# Altium PCB PCB.PcbDoc (part 1 of 2) (continued)
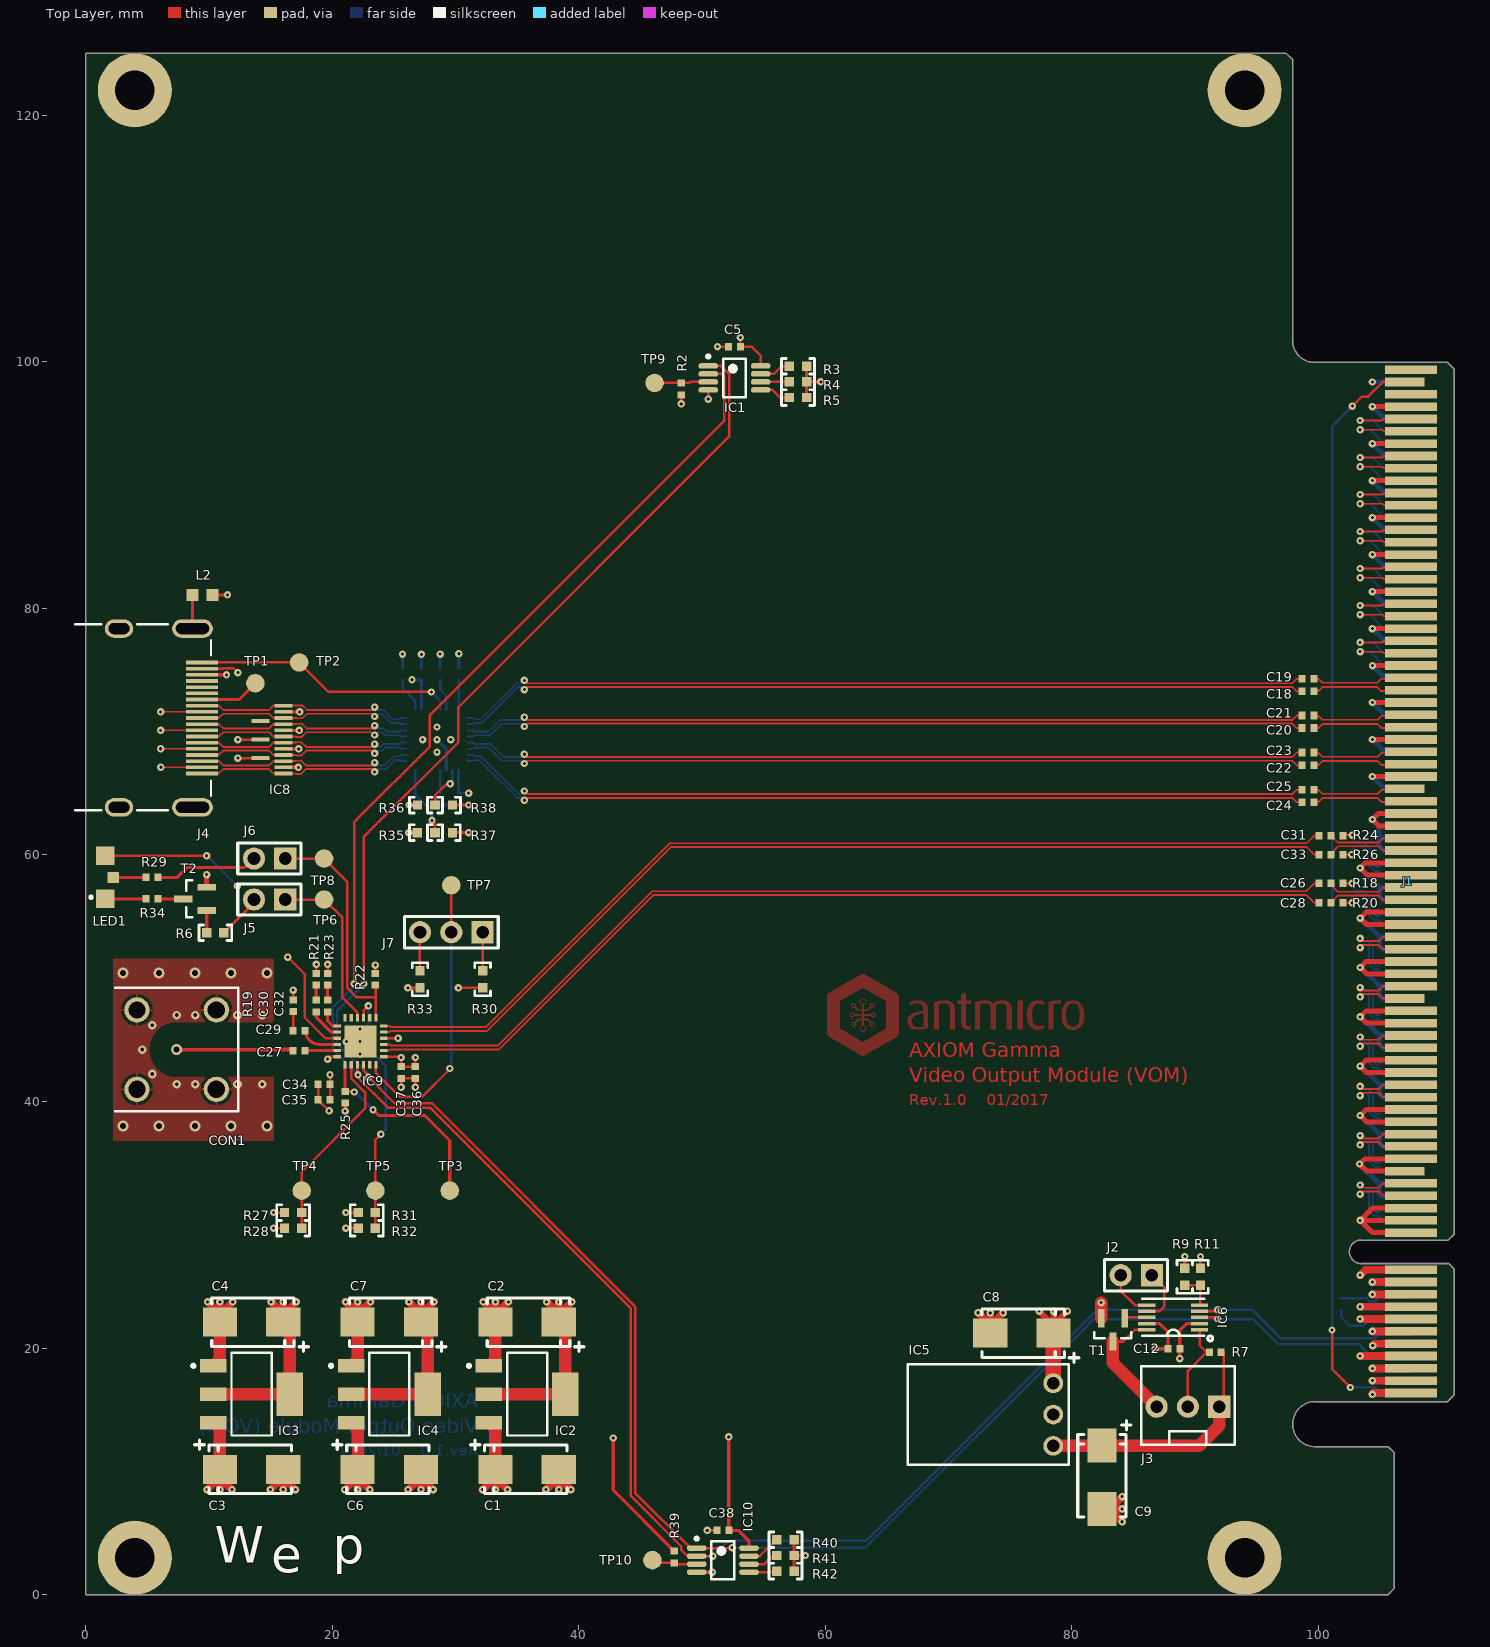
[diagram p0: Top Layer view]
## Components (designator, comment, footprint, x,y, rotation, side; value= is the part's Value field where it differs from the comment)
C1 "10u" KEMET_C 35.814,10.16 r0 top
C2 "22u" KEMET_C 35.814,22.098 r180 top
C3 "10u" KEMET_C 13.462,10.16 r0 top
C4 "22u" KEMET_C 13.462,22.098 r180 top
C5 "100n" 0402 52.629,101.219 r180 top
C6 "10u" KEMET_C 24.638,10.16 r0 top
C7 "22u" KEMET_C 24.638,22.098 r180 top
C8 "22u" KEMET_C 75.946,21.209 r180 top
C9 "22u" KEMET_C 82.423,9.525 r270 top
C12 "100n" 0402 88.265,19.939 r0 top
C16 "100n" 0402 27.233,74.681 r270 bottom
C17 "100n" 0402 30.256,64.521 r90 bottom
C18 "100n" 0402 99.136,73.254 r180 top
C19 "100n" 0402 99.136,74.27 r180 top
C20 "100n" 0402 99.136,70.282 r180 top
C21 "100n" 0402 99.136,71.298 r180 top
C22 "100n" 0402 99.136,67.259 r180 top
C23 "100n" 0402 99.136,68.301 r180 top
C24 "100n" 0402 99.136,64.262 r180 top
C25 "100n" 0402 99.136,65.278 r180 top
C26 "4u7" 0402 100.533,57.683 r180 top
C27 "4u7" 0402 17.317,44.113 r180 top
C28 "4u7" 0402 100.533,56.109 r180 top
C29 "4u7" 0402 17.317,45.723 r180 top
C30 "4u7" 0402 18.714,47.75 r90 top
C31 "4u7" 0402 100.533,61.553 r180 top
C32 "4u7" 0402 19.631,47.75 r90 top
C33 "4u7" 0402 100.533,60.02 r180 top
C34 "10n" 0402 19.349,41.381 r180 top
C35 "100n" 0402 19.349,40.13 r180 top
C36 "10n" 0402 26.743,42.347 r90 top
C37 "100n" 0402 25.6,42.347 r90 top
C38 "100n" 0402 51.689,5.207 r180 top
CON1 "73171-6611" MOLEX_BNC_73171-6611 7.388,44.204 r180 top
IC1 "TMP75AIDGKT" MSOP-8 52.629,98.679 r0 top
IC2 "AP1117E33G-13" SOT223 35.814,16.256 r270 top
IC3 "AP1117E50G-13" SOT223 13.462,16.256 r270 top
IC4 "NCP1117ST25T3G" SOT223 24.638,16.256 r270 top
IC5 "U3V12F12" U3V12Fxx 78.486,14.605 r90 top
IC6 "MAX6650EUB+" uMAX10 88.214,22.479 r180 top
IC7 "PTN3363BSMP" QFN-32 28.503,69.347 r90 bottom
IC8 "TPD8S009" SON-15 15.117,69.347 r270 top
IC9 "LMH1218RTWT" WQFN-24 22.298,44.872 r180 top
IC10 "TMP75AIDGKT" MSOP-8 51.689,2.794 r0 top
J1 "" PCIEX16 107.5,16.35 r90 top locked
J2 "MH_1X02_2.54" MH_1X02_2.54 86.487,25.908 r180 top
J3 "Molex 022232031" molex_2223-2031 89.408,15.24 r180 top
J4 "CON-Molex-471511001" Molex_HDMI_471511001 6.075,71.1 r270 top
J5 "MH_1X02_2.54" MH_1X02_2.54 16.2,56.375 r180 top
J6 "MH_1X02_2.54" MH_1X02_2.54 16.2,59.7 r180 top
J7 "MH_1X03_2.54" MH_1X03_2.54 32.204,53.721 r180 top
L2 "BLM18SG121TN1D" 0603#1 9.479,81.082 r180 top
LED1 "LED-LiteON-LTST-S326KGJRKT" LED-LiteON-LTST-S326KGJRKT 1.6,58.175 r90 top
R1 "0R" 0402 101.854,23.549 r270 bottom
R2 "10k" 0402 48.311,97.79 r270 top
R3 "0R" 0603#2 57.785,99.627 r0 top
R4 "0R" 0603#2 57.785,98.357 r0 top
R5 "0R" 0603#2 57.785,97.087 r0 top
R6 "1k" 0603#2 10.525,53.675 r180 top
R7 "10k" 0402 91.618,19.66 r0 top
R9 "0R" 0603#2 89.154,25.781 r270 top
R11 "10k" 0603#2 90.424,25.781 r270 top
R14 "10k" 0402 30.281,74.681 r90 bottom
R15 "10k" 0402 28.757,74.681 r90 bottom
R16 "10k" 0402 25.709,74.681 r90 bottom
R17 "12k4" 0402 28.757,64.521 r90 bottom
R18 "0R" 0402 101.498,57.683 r0 top
R19 "75R" 0402 16.837,47.757 r270 top
R20 "0R" 0402 101.498,56.109 r0 top
R21 "100R" 0402 18.714,49.911 r270 top
R22 "10k" 0402 23.504,49.911 r270 top
R23 "100R" 0402 19.631,49.911 r270 top
R24 "0R" 0402 101.498,61.553 r0 top
R25 "1k" 0402 21.048,40.339 r90 top
R26 "0R" 0402 101.498,60.02 r0 top
R27 "1k" 0603#2 16.837,30.988 r180 top
R28 "1k" 0603#2 16.837,29.718 r180 top
R29 "220R" 0402 5.4,58.175 r0 top
R30 "1k" 0603#2 32.204,49.911 r90 top
R31 "1k" 0603#2 22.806,30.988 r180 top
R32 "1k" 0603#2 22.806,29.718 r180 top
R33 "1k" 0603#2 27.124,49.911 r270 top
R34 "220R" 0402 5.4,56.425 r180 top
R35 "0R" 0603#2 27.613,61.804 r0 top
R36 "0R" 0603#2 27.618,64.039 r0 top
R37 "0R" 0603#2 29.058,61.804 r0 top
R38 "0R" 0603#2 29.063,64.039 r0 top
R39 "10k" 0402 47.752,3.048 r90 top
R40 "0R" 0603#2 56.769,4.445 r0 top
R41 "0R" 0603#2 56.769,3.175 r0 top
R42 "0R" 0603#2 56.769,1.905 r0 top
T1 "BSS806NH6327" SOT-23 83.325,21.479 r270 top
T2 "BSS806NH6327" SOT-23 8.875,56.425 r180 top
TP1 "Testpad" Testpad#1 13.771,73.919 r180 bottom
TP2 "Testpad" Testpad#1 17.327,75.6 r90 bottom
TP3 "Testpad" Testpad#2 29.537,32.766 r90 top
TP4 "Testpad" Testpad#2 17.535,32.766 r180 top
TP5 "Testpad" Testpad#2 23.504,32.766 r90 top
TP6 "Testpad" Testpad#2 19.35,56.375 r90 top
TP7 "Testpad" Testpad#2 29.664,57.531 r90 top
TP8 "Testpad" Testpad#2 19.35,59.7 r90 top
TP9 "Testpad" Testpad#2 46.152,98.27 r90 top
TP10 "Testpad" Testpad#2 45.974,2.794 r0 top

## Footprints (in the part's own frame and the unit in brackets; to place one, negate y for a bottom-side part, rotate by r counter-clockwise, add the part's x,y. Pads: shape width x height; smd on the part's side, far side on the other; paste and mask are expansions set on the pad)
0402 [mm]
  rect 0.57x0.62 smd: 1(-0.48,0) 2(0.48,0)
  body extent -0.55,-0.3 0.55,0.3, height 0.5
0603#1 [mm] "Chip Inductor Ferrite Bead 0603"
  rect 0.97x0.96 smd: 1(-0.815,0) 2(0.815,0)
  body extent -0.87,-0.48 0.87,0.47, height 0.6
0603#2 [mm]
  rect 0.762x0.762 smd: 1(-0.699,0) 2(0.699,0)
  silkscreen extent -1.33,-0.64 1.33,0.64, body extent -0.82,-0.41 0.83,0.41, height 0.46
KEMET_C [mm] "Kemet C size package. Low desity level"
  rect 2.77x2.35 smd: 1(-2.57,0) 2(2.57,0)
  silkscreen extent -4.6,-1.95 3.23,2.38, body extent -3.25,-1.73 3.05,1.77, height 2.81
LED-LiteON-LTST-S326KGJRKT [mm] "LED LiteON LTST-S326KGJRKT Red Green"
  rect 1.5x1.5 smd: A(1.75,0) C1(-1.75,0)
  rect 0.9x0.9 smd: C2(0,-0.65)
  silkscreen extent -1.72,1.04 -1.49,1.28, body extent -1.5,-0.5 1.5,1.5, height 1
MH_1X02_2.54 [mm]
  rect 1.8x1.8 hole 1.02: 1(0,0)
  round 1.8 hole 1.02: 2(2.54,0)
  silkscreen extent -1.27,-1.27 3.86,1.27, body extent -1.17,-1.25 3.91,1.25, height 8.33
MH_1X03_2.54 [mm]
  rect 1.8x1.8 hole 1.02: 1(0,0)
  round 1.8 hole 1.02: 2(2.54,0) 3(5.08,0)
  silkscreen extent -1.27,-1.27 6.35,1.27, body extent -1.17,-1.25 6.45,1.25, height 8.33
molex_2223-2031 [mm]
  rect 1.8x1.8 hole 1.02: 1(-2.54,0)
  round 1.8 hole 1.02: 2(0,0) 3(2.54,0)
  silkscreen extent -3.8,-3.3 3.8,3.1, body extent -3.73,-3.25 3.73,3.1, height 10.68
MOLEX_BNC_73171-6611 [mm]
  round 0.9 hole 0.5: 1(0,0)
  round 2.05 hole 1.4: S(-3.22,3.22) S(-3.22,-3.22) S(3.22,3.22) S(3.22,-3.22)
  Top Layer pour cut-out: -7.848,-2.22 0,-2.22 0.963,-2 1.736,-1.384 2.164,-0.494 2.164,0.494 1.736,1.384 0.963,2 0,2.22 0,2.22 -7.848,2.22
  Bottom Layer pour cut-out: -0.953,-2.005 0.133,-2.216 1.186,-1.877 1.944,-1.071 2.22,0 1.944,1.071 1.186,1.877 0.133,2.216 -0.953,2.005 -0.953,2.005 -0.95,2
  silkscreen extent -5,-5 5,5, body extent -4.96,-7.01 22.73,6.99, height 12.42
Molex_HDMI_471511001 [mm] "HEADER, RIGHT ANGLE, HDMI"
  rect 0.3x2.6 smd: 1(4.5,3.36) 2(4,3.36) 3(3.5,3.36) 4(3,3.36) 5(2.5,3.36) 6(2,3.36) 7(1.5,3.36) 8(1,3.36) 9(0.5,3.36) 10(0,3.36) 11(-0.5,3.36) 12(-1,3.36) 13(-1.5,3.36) 14(-2,3.36) 15(-2.5,3.36) 16(-3,3.36) 17(-3.5,3.36) 18(-4,3.36) 19(-4.5,3.36)
  oval 1.5x2.3 hole 0.9 slot 1.7 at 90 deg: S(-7.25,-3.36) S(7.25,-3.36)
  oval 1.5x3.3 hole 0.9 slot 2.7 at 90 deg: S(-7.25,2.6) S(7.25,2.6)
  silkscreen extent -7.6,-6.9 7.5,4.1, body extent -7.55,-8.08 7.45,4.07, height 6.28
MSOP-8 [mm]
  oval 1.6x0.45 smd: 1(-2.125,0.975) 2(-2.125,0.325) 3(-2.125,-0.325) 4(-2.125,-0.975) 5(2.125,-0.975) 6(2.125,-0.325) 7(2.125,0.325) 8(2.125,0.975)
  silkscreen extent -2.25,-1.55 0.92,1.87, body extent -2.45,-1.52 2.45,1.48, height 1.15
PCIEX16 [mm] "Golden finger, PCIeX16, Dual, Opposite, Pitch 1mm, 164-Position"
  rect 0.7x3.2 smd far side paste-1: A1(0,0.5)
  rect 0.7x4.2 smd far side paste-1: A2(1,0) A3(2,0) A4(3,0) A5(4,0) A6(5,0) A7(6,0) A8(7,0) A9(8,0) A10(9,0) A11(10,0) A12(13,0) A13(14,0) A14(15,0) A15(16,0) A16(17,0) A17(18,0) A18(19,0) A19(20,0) A20(21,0) A21(22,0) A22(23,0) A23(24,0) A24(25,0) A25(26,0) A26(27,0) A27(28,0) A28(29,0) A29(30,0) A30(31,0) A31(32,0) A32(33,0) A33(34,0) A34(35,0) A35(36,0) A36(37,0) A37(38,0) A38(39,0) A39(40,0) A40(41,0) A41(42,0) A42(43,0) A43(44,0) A44(45,0) A45(46,0) A46(47,0) A47(48,0) A48(49,0) A49(50,0) A50(51,0) A51(52,0) A52(53,0) A53(54,0) A54(55,0) A55(56,0) A56(57,0) A57(58,0) A58(59,0) A59(60,0) A60(61,0) A61(62,0) A62(63,0) A63(64,0) A64(65,0) A65(66,0) A66(67,0) A67(68,0) A68(69,0) A69(70,0) A70(71,0) A71(72,0) A72(73,0) A73(74,0) A74(75,0) A75(76,0) A76(77,0) A77(78,0) A78(79,0) A79(80,0) A80(81,0) A81(82,0) A82(83,0)
  rect 0.7x4.2 smd paste-1: B1(0,0) B2(1,0) B3(2,0) B4(3,0) B5(4,0) B6(5,0) B7(6,0) B8(7,0) B9(8,0) B10(9,0) B11(10,0) B12(13,0) B13(14,0) B14(15,0) B15(16,0) B16(17,0) B18(19,0) B19(20,0) B20(21,0) B21(22,0) B22(23,0) B23(24,0) B24(25,0) B25(26,0) B26(27,0) B27(28,0) B28(29,0) B29(30,0) B30(31,0) B32(33,0) B33(34,0) B34(35,0) B35(36,0) B36(37,0) B37(38,0) B38(39,0) B39(40,0) B40(41,0) B41(42,0) B42(43,0) B43(44,0) B44(45,0) B45(46,0) B46(47,0) B47(48,0) B49(50,0) B50(51,0) B51(52,0) B52(53,0) B53(54,0) B54(55,0) B55(56,0) B56(57,0) B57(58,0) B58(59,0) B59(60,0) B60(61,0) B61(62,0) B62(63,0) B63(64,0) B64(65,0) B65(66,0) B66(67,0) B67(68,0) B68(69,0) B69(70,0) B70(71,0) B71(72,0) B72(73,0) B73(74,0) B74(75,0) B75(76,0) B76(77,0) B77(78,0) B78(79,0) B79(80,0) B80(81,0) B82(83,0)
  rect 0.7x3.2 smd paste-1: B17(18,0.5) B31(32,0.5) B48(49,0.5) B81(82,0.5)
QFN-32 [mm] "QFN, 32-Leads, Body 5,00x5,00mm, Pitch 0,50mm, Thermal Pad 3,20x3,20mm, IPC Medium Density"
  rect 0.75x0.3 smd: 1(-2.475,1.75) 2(-2.475,1.25) 3(-2.475,0.75) 4(-2.475,0.25) 5(-2.475,-0.25) 6(-2.475,-0.75) 7(-2.475,-1.25) 8(-2.475,-1.75) 17(2.475,-1.75) 18(2.475,-1.25) 19(2.475,-0.75) 20(2.475,-0.25) 21(2.475,0.25) 22(2.475,0.75) 23(2.475,1.25) 24(2.475,1.75)
  rect 0.3x0.75 smd: 9(-1.75,-2.475) 10(-1.25,-2.475) 11(-0.75,-2.475) 12(-0.25,-2.475) 13(0.25,-2.475) 14(0.75,-2.475) 15(1.25,-2.475) 16(1.75,-2.475) 25(1.75,2.475) 26(1.25,2.475) 27(0.75,2.475) 28(0.25,2.475) 29(-0.25,2.475) 30(-0.75,2.475) 31(-1.25,2.475) 32(-1.75,2.475)
  rect 3.2x3.2 smd: 33(0,0)
  silkscreen extent -3.42,-2.65 2.65,2.65, body extent -2.5,-2.5 2.5,2.5, height 1
SON-15 [mm]
  rect 0.3x1.45 smd: 1(2.75,0.925) 2(2.25,0.925) 3(1.75,0.925) 4(1.25,0.925) 5(0.75,0.925) 6(0.25,0.925) 7(-0.25,0.925) 8(-0.75,0.925) 9(-1.25,0.925) 10(-1.75,0.925) 11(-2.25,0.925) 12(-2.75,0.925) 13(1.5,-0.925) 14(0,-0.925) 15(-1.5,-0.925)
  body extent -3.3,-1.3 3.3,1.3, height 0.8
SOT223 [mm] "SOT-223/SC-73; 4 Leads; Body 6.7 x 7.3 mm, inc. leads (LxW max)"
  rect 1.1x2.15 smd: 1(-2.3,-3.1) 2(0,-3.1) 3(2.3,-3.1)
  rect 3.5x2.15 smd: 4(0,3.1)
  silkscreen extent -3.35,-4.85 3.35,1.63, body extent -3.25,-3.48 3.25,3.48, height 1.61
SOT-23 [mm] "SOT23, 3-Leads, Body 2.90x2.45mm, Pitch 0.95mm, IPC Medium Density"
  rect 1.5x0.55 smd: 1(-0.95,0.95) 2(-0.95,-0.95) 3(0.95,0)
  silkscreen extent 0.2,-1.5 0.7,1.5, body extent -1.13,-1.5 1.13,1.5, height 1.21
Testpad#1 [mm] "Simple test pad 2mm in diameter"
  round 1.5 smd far side: 1(0,0)
Testpad#2 [mm] "Simple test pad 2mm in diameter"
  round 1.5 smd: 1(0,0)
U3V12Fxx [mm]
  round 1.6 hole 1: 1(2.54,0) 2(0,0) 3(-2.54,0)
  silkscreen extent -4.06,-1.27 4.06,11.81, body extent -4.06,-1.27 4.06,11.81, height 2.54
uMAX10 [mm]
  rect 1.4x0.28 smd: 1(-2.14,1) 2(-2.14,0.5) 3(-2.14,0) 4(-2.14,-0.5) 5(-2.14,-1) 6(2.14,-1) 7(2.14,-0.5) 8(2.14,0) 9(2.14,0.5) 10(2.14,1)
  silkscreen extent -3.2,-1.5 2.5,1.9, body extent -2.5,-1.5 2.5,1.5, height 0.95
WQFN-24 [mm]
  rect 2.6x2.6 smd paste-2.6: 0(0,0)
  rect 0.25x0.6 smd: 1(1.25,1.9) 2(0.75,1.9) 3(0.25,1.9) 4(-0.25,1.9) 5(-0.75,1.9) 6(-1.25,1.9) 13(-1.25,-1.9) 14(-0.75,-1.9) 15(-0.25,-1.9) 16(0.25,-1.9) 17(0.75,-1.9) 18(1.25,-1.9)
  rect 0.6x0.25 smd: 7(-1.9,1.25) 8(-1.9,0.75) 9(-1.9,0.25) 10(-1.9,-0.25) 11(-1.9,-0.75) 12(-1.9,-1.25) 19(1.9,-1.25) 20(1.9,-0.75) 21(1.9,-0.25) 22(1.9,0.25) 23(1.9,0.75) 24(1.9,1.25)
  body extent -2.01,-2.01 2.01,2.01, height 0.8

## Part data
C1 C3 C6: library part CPol_10u, "Tantalum SMT Capacitor 10uF Case KEMET_C"
C2 C4 C7 C8 C9: library part CPol_22u, "Tantalum SMT Capacitor 22uF Case KEMET_C"
C5 C12 C16 C17 C18 C19 C20 C21 C22 C23 C24 C25 C35 C37 C38: library part C_100n_0402, "MLCC SMT Capacitor 0402"
C26 C27 C28 C29 C30 C31 C32 C33: library part C_4u7_0402, "MLCC SMT Capacitor 0402"
C34 C36: library part C_10n_0402, "MLCC SMT Capacitor 0402"
CON1: library part MOLEX_BNC_73171-6611
IC1 IC10: library part TMP75, "Temperature Sensor With I2C and SMBus Interface in Industry Standard LM75"
IC2: "IC, LDO, REG, 3.3V, SOT223"
IC3: "IC, LDO, REG, 5.0V, SOT223"
IC4: "IC, LDO, REG, 2.5V, SOT223"
IC5: "Pololu 9V Step-Up Voltage Regulator"
IC6: library part MAX6650, "Fan-Speed Regulator and Monitor with SMBus/I2C-Compatible Interface"
IC7: library part PTN3363, "HDMI level shifter"
IC8: "8-Channel ESD Protection for DisplayPort and HDMI"
IC9: library part LMH1218, "Low Power Ultra HD Cable Driver with Integrated Reclocker"
J1: library part PCIEX16, "PCB Only"
J2 J5 J6: library part 1X02, "Male header, 1 x 02 pins, pitch 2.54 mm"
J3: library part 1X03
J4: "Header right angle HDMI"
J7: library part 1X03_1, "Male header, 1 x 03 pins, pitch 2.54 mm"
L2: library part "Inductor SMT", "FERRITE BEAD, 0.025OHM, 3A, 0603"
LED1: "Standard LEDs - SMD Green/Red Clear 571nm/631nm"
R1 R18 R20 R24 R26: library part R_0R_0402, "SMT Resistor 0402"
R2 R7 R14 R15 R16 R22 R39: library part R_10k_0402, "SMT Resistor 0402"
R3 R4 R5 R9 R35 R36 R37 R38 R40 R41 R42: library part R_0R_0603, "SMT Resistor 0R 0603"
R6 R27 R28 R30 R31 R32 R33: library part R_1k_0603, "SMT Resistor 0R 0603"
R11: library part R_10k_0603, "SMT Resistor 0R 0603"
R17: library part R_12k4_0402_1%, "SMT Resistor 12k4 0402 1%"
R19: library part R_75R_0402, "SMT Resistor 0402"
R21 R23: library part R_100R_0402, "SMT Resistor 0402"
R25: library part R_1k_0402, "SMT Resistor 0402"
R29 R34: library part R_220R_0402, "SMT Resistor 0402"
T1 T2: "MOSFET, BRT, N CH, 2.3 A, 20 V, 0.041 ohm, 2.5 V, 550 mV"
TP1 TP2 TP3 TP4 TP5 TP6 TP7 TP8 TP9 TP10: "Testpad 2mm diameter"

## Free pads (board coordinates)
  round 6 hole 3.2: M(4,3) M(4,122) M(94,3) M(94,122)

## Via types
v1: diameter 0.6, hole 0.25, Top Layer to Bottom Layer, 212 vias
v2: diameter 0.7, hole 0.3, Top Layer to Bottom Layer, 11 vias
v3: diameter 0.9, hole 0.5, Top Layer to Bottom Layer, 10 vias

## Nets (pads, with @x,y where several pads share a name; then routed paths per layer and width w, separated by ;. In a path a pad name is that pad's centre, name@x,y a point inside that pad or via, vN(x,y) a via of type N, cw(c..) or ccw(c..) an arc to the next point about the centre after c; other vN are vias at no path point)
3V3: C2.1 C5.1 C12.1 C16.2 C17.2 C38.1 IC1.8 IC2.2 IC2.4 IC6.9 IC7.1 IC7.18 IC10.8 R2.2 R9.1 R35.1 R36.1 R39.2 | length 55.4
  Top Layer w0.203: v1(48.311,96.576) R2.2@48.311,97.31 ; v1(53.109,101.958) C5.1@53.109,101.219 54.026,101.219 54.754,100.491 IC1.8@54.754,99.654
  Top Layer w0.254: v1(26.217,61.804) R35.1@27.133,61.804 ; v1(26.243,64.039) R36.1@27.138,64.039 ; v1(42.799,12.7) 42.799,8.481 R39.2@47.752,3.528 ; v1(52.169,12.799) C38.1@52.169,5.207 52.925,5.207 53.814,4.318 IC10.8@53.814,3.769 ; IC6.9@86.074,21.979 87.114,21.979 87.785,21.308 C12.1@87.785,19.939 v1(86.741,19.939) ; R9.1@89.154,26.479 v1(89.154,27.425)
  Top Layer w0.635: v1(37.398,23.749) C2.1@38.384,22.763 ; C2.1@38.384,22.098 C2.1@38.384,22.703 ; v1(38.384,23.744) C2.1@38.384,22.763 ; v1(39.43,23.749) C2.1@38.384,22.703 ; C2.1@38.384,22.703 C2.1@38.384,22.763
  Top Layer w1.016: IC2.2@32.714,16.256 IC2.4@38.914,16.256 38.914,21.568 C2.1@38.384,22.098
  Bottom Layer w0.254: v1(26.474,74.201) C16.2@27.233,74.201 27.253,74.181 IC7.18@27.253,71.822 ; IC7.1@30.253,66.872 30.253,65.004 C17.2@30.256,65.001 v1(31.063,65.001)
5V0: C4.1 IC3.2 IC3.4 IC8.13 IC8.14 J4.18 | length 23.6
  Top Layer w0.203: J4.18@9.435,75.1 11.149,75.1 11.201,75.152 11.98,75.152 v1(12.349,74.783) ; v1(12.349,69.347) IC8.14@14.192,69.347 ; v1(12.35,67.847) IC8.13@14.192,67.847
  Top Layer w0.635: v1(15.046,23.749) C4.1@16.032,22.763 ; C4.1@16.032,22.098 C4.1@16.032,22.703 ; v1(16.032,23.744) C4.1@16.032,22.763 ; v1(17.078,23.749) C4.1@16.032,22.703 ; C4.1@16.032,22.703 C4.1@16.032,22.763
  Top Layer w1.016: IC3.2@10.362,16.256 IC3.4@16.562,16.256 16.562,21.568 C4.1@16.032,22.098
BROADCAST_BS2: J1.A8
BROADCAST_BS3: J1.A10
BROADCAST_CLK: J1.A2
FAN_GND: IC6.10 J3.3 T1.3 | length 9.9
  Top Layer w0.203: T1.3@83.312,20.529 84.156,20.529 85.106,21.479 IC6.10@86.074,21.479
  Top Layer w1.016: T1.3@83.312,20.529 83.312,18.796 J3.3@86.868,15.24
FAN_TACHO: IC6.1 J3.2 R7.1 | length 7.1
  Top Layer w0.203: J3.2@89.408,15.24 89.408,18.148 90.919,19.66 90.354,20.225 IC6.1@90.354,21.479
GND: C1.2 C2.2 C3.2 C4.2 C5.2 C6.2 C7.2 C8.2 C9.2 C12.2 C16.1 C17.1 C34.1 C35.1 C36.1 C37.1 C38.2 CON1.S IC1.4 IC2.1 IC3.1 IC4.1 IC5.2 IC6.2 IC7.3 IC7.33 IC8.2 IC8.5 IC8.8 IC8.11 IC9.0 IC9.10 IC9.24 IC10.4 J1.A12 J1.A15 J1.A16 J1.A19 J1.A20 J1.A23 J1.A24 J1.A27 J1.A28 J1.A31 J1.A32 J1.A35 J1.A36 J1.A39 J1.A40 J1.A43 J1.A44 J1.A45 J1.A48 J1.A51 J1.A54 J1.A57 J1.A60 J1.A63 J1.A66 J1.A69 J1.A72 J1.A75 J1.A78 J1.A81 J1.B4 J1.B7 J1.B8 J1.B11 J1.B12 J1.B13 J1.B14 J1.B17 J1.B18 J1.B21 J1.B22 J1.B25 J1.B26 J1.B29 J1.B30 J1.B33 J1.B34 J1.B37 J1.B38 J1.B41 J1.B42 J1.B45 J1.B46 J1.B49 J1.B52 J1.B55 J1.B58 J1.B61 J1.B64 J1.B67 J1.B70 J1.B73 J1.B76 J1.B79 J4.17 L2.1 R3.2 R4.2 R5.2 R11.1 R14.2 R15.2 R16.2 R17.1 R19.1 R21.1 R23.1 R25.1 R28.2 R32.2 R33.2 R37.2 R38.2 R40.2 R41.2 R42.2 T1.2 T2.2 | length 344.9
  Top Layer w0.203: v1(15.244,29.718) R28.2@16.138,29.718 ; R19.1@16.837,48.237 v1(16.837,49.022) ; R21.1@18.714,50.391 v1(18.714,51.111) ; v1(19.631,43.434) 19.819,43.622 IC9.24@20.398,43.622 ; R23.1@19.631,50.391 v1(19.631,51.111) ; C35.1@19.829,40.13 C34.1@19.829,41.381 v1(19.829,42.164) ; v1(21.048,39.206) R25.1@21.048,39.859 ; v1(21.106,29.718) R32.2@22.107,29.718 ; IC9.10@24.198,45.122 v1(25.346,45.122) ; v1(25.6,41.148) C37.1@25.6,41.867 C36.1@26.743,41.867 v1(26.743,41.15) ; v1(50.504,96.96) IC1.4@50.504,97.704 ; v1(51.257,101.219) C5.2@52.149,101.219 ; R11.1@90.424,26.479 v1(90.424,27.425)
  Top Layer w0.254: J4.17@9.435,74.6 v1(11.429,74.6) ; L2.1@10.294,81.082 v1(11.511,81.082) ; IC8.2@16.042,67.097 v1(17.262,67.097) ; IC8.5@16.042,68.597 v1(17.288,68.597) ; IC8.8@16.042,70.097 v1(17.329,70.097) ; IC8.11@16.042,71.597 v1(17.367,71.597) ; v1(26.139,49.212) R33.2@27.124,49.212 ; R37.2@29.757,61.804 v1(31.066,61.804) ; R38.2@29.762,64.039 31.063,64.039 v1(31.066,64.041) ; IC10.4@49.564,1.819 v1(50.841,1.819) ; v1(50.419,5.207) C38.2@51.209,5.207 ; R42.2@57.468,1.905 R41.2@57.468,3.175 ; R40.2@57.468,4.445 R41.2@57.468,3.175 ; v1(58.385,3.175) R41.2@57.468,3.175 ; R5.2@58.483,97.087 R4.2@58.483,98.357 ; R3.2@58.483,99.627 R4.2@58.483,98.357 ; v1(59.631,98.357) R4.2@58.483,98.357 ; v1(88.745,19.144) C12.2@88.745,19.939 88.745,21.435 89.289,21.979 IC6.2@90.354,21.979
  Top Layer w0.406: T2.2@9.825,57.375 v1(9.825,58.395) ; v1(104.361,62.865) v1@104.366,62.865 ; v1(104.361,93.35) J1.B76@107.5,93.35 ; v1(104.361,96.35) J1.B79@107.5,96.35 ; v1(104.363,90.35) J1.B73@107.5,90.35 ; v1(104.364,84.35) J1.B67@107.5,84.35 ; v1(104.364,87.35) J1.B70@107.5,87.35 ; v1(104.366,66.35) J1.B49@107.5,66.35 ; v1(104.367,81.35) J1.B64@107.5,81.35 ; v1(104.369,69.35) J1.B52@107.5,69.35 ; v1(104.37,78.35) J1.B61@107.5,78.35 ; v1(104.372,72.35) J1.B55@107.5,72.35 ; v1(104.374,75.35) J1.B58@107.5,75.35 ; J1.B17@107,34.35 103.901,34.35 v1(103.326,34.925) 103.751,35.35 J1.B18@107.5,35.35 ; J1.B12@107.5,29.35 104.378,29.35 v1(103.378,30.35) ; J1.B13@107.5,30.35 v1(103.378,30.35) ; J1.B14@107.5,31.35 104.378,31.35 v1(103.378,30.35) ; J1.B21@107.5,38.35 103.89,38.35 v1(103.378,38.862) 103.866,39.35 J1.B22@107.5,39.35 ; J1.B25@107.5,42.35 103.89,42.35 v1(103.378,42.862) 103.866,43.35 J1.B26@107.5,43.35 ; J1.B29@107.5,46.35 103.89,46.35 v1(103.378,46.862) 103.866,47.35 J1.B30@107.5,47.35 ; J1.B33@107.5,50.35 103.89,50.35 v1(103.378,50.862) 103.866,51.35 J1.B34@107.5,51.35 ; J1.B37@107.5,54.35 103.89,54.35 v1(103.378,54.862) 103.866,55.35 J1.B38@107.5,55.35 ; J1.B41@107.5,58.35 103.956,58.35 v1(103.378,58.928) 103.8,59.35 J1.B42@107.5,59.35 ; J1.B45@107.5,62.35 104.881,62.35 v1@104.366,62.865 ; J1.B46@107.5,63.35 104.851,63.35 v1@104.366,62.865
  Top Layer w0.635: v1(9.906,23.749) C4.2@10.892,22.763 ; C4.2@10.892,22.098 C4.2@10.892,22.703 ; v1(10.892,23.744) C4.2@10.892,22.763 ; v1(11.938,23.749) C4.2@10.892,22.703 ; v1(14.986,8.509) C3.2@16.032,9.555 ; v1(16.032,8.514) C3.2@16.032,9.495 ; C3.2@16.032,10.16 C3.2@16.032,9.555 ; v1(17.018,8.509) C3.2@16.032,9.495 ; v1(21.082,23.749) C7.2@22.068,22.763 ; C7.2@22.068,22.098 C7.2@22.068,22.703 ; v1(22.068,23.744) C7.2@22.068,22.763 ; v1(23.114,23.749) C7.2@22.068,22.703 ; v1(26.162,8.509) C6.2@27.208,9.555 ; v1(27.208,8.514) C6.2@27.208,9.495 ; C6.2@27.208,10.16 C6.2@27.208,9.555 ; v1(28.194,8.509) C6.2@27.208,9.495 ; v1(32.258,23.749) C2.2@33.244,22.763 ; C2.2@33.244,22.098 C2.2@33.244,22.703 ; v1(33.244,23.744) C2.2@33.244,22.763 ; v1(34.29,23.749) C2.2@33.244,22.703 ; v1(37.338,8.509) C1.2@38.384,9.555 ; v1(38.384,8.514) C1.2@38.384,9.495 ; C1.2@38.384,10.16 C1.2@38.384,9.555 ; v1(39.37,8.509) C1.2@38.384,9.495 ; v1(72.39,22.86) C8.2@73.376,21.874 ; C8.2@73.376,21.209 C8.2@73.376,21.814 ; v1(73.376,22.855) C8.2@73.376,21.874 ; v1(74.422,22.86) C8.2@73.376,21.814 ; C9.2@82.423,6.955 C9.2@83.028,6.955 ; v1(84.069,6.955) C9.2@83.088,6.955 ; v1(84.074,5.909) C9.2@83.028,6.955 ; v1(84.074,7.941) C9.2@83.088,6.955 ; v1(103.378,19.35) J1.B4@107.5,19.35 ; v1(103.378,22.35) J1.B7@107.5,22.35 ; v1(103.378,23.35) J1.B8@107.5,23.35 ; v1(103.378,25.908) 103.82,26.35 J1.B11@107.5,26.35 ; C4.2@10.892,22.703 C4.2@10.892,22.763 ; C3.2@16.032,9.495 C3.2@16.032,9.555 ; C7.2@22.068,22.703 C7.2@22.068,22.763 ; C6.2@27.208,9.495 C6.2@27.208,9.555 ; C2.2@33.244,22.703 C2.2@33.244,22.763 ; C1.2@38.384,9.495 C1.2@38.384,9.555 ; C8.2@73.376,21.814 C8.2@73.376,21.874 ; C9.2@83.028,6.955 C9.2@83.088,6.955
  Top Layer w1.016: IC3.1@10.362,18.556 10.892,19.086 C4.2@10.892,22.098 ; IC4.1@21.538,18.556 22.068,19.086 C7.2@22.068,22.098 ; IC2.1@32.714,18.556 33.244,19.086 C2.2@33.244,22.098 ; T1.2@82.362,22.429 v1(82.362,23.683)
  Bottom Layer w0.254: R16.2@25.709,75.161 v1(25.709,76.282) ; C16.1@27.233,75.161 v1(27.233,76.256) ; v1(28.503,69.347) 29.253,68.597 IC7.3@29.253,66.872 ; R17.1@28.757,64.041 C17.1@30.256,64.041 v1(31.066,64.041) ; R15.2@28.757,75.161 v1(28.757,76.282) ; R14.2@30.281,75.161 v1(30.281,76.307)
  Bottom Layer w0.406: v1(103.326,34.925) 104.901,33.35 ; v1(103.378,30.35) 104.378,29.35 J1.A12@107.5,29.35 ; v1@103.378,38.928 104.956,37.35 ; v1@103.378,42.928 104.956,41.35 ; v1@103.378,46.928 104.956,45.35 ; v1@103.378,54.928 104.956,53.35 ; v1(103.378,58.928) 104.956,57.35 ; v1@103.411,50.895 104.956,49.35 ; v1(104.361,93.35) 105.361,92.35 J1.A75@107.5,92.35 ; v1(104.361,96.35) 105.361,95.35 J1.A78@107.5,95.35 ; v1(104.361,98.35) J1.A81@107.5,98.35 ; v1(104.363,90.35) 105.363,89.35 J1.A72@107.5,89.35 ; v1(104.364,84.35) 105.364,83.35 J1.A66@107.5,83.35 ; v1(104.364,87.35) 105.364,86.35 J1.A69@107.5,86.35 ; v1(104.366,66.35) 105.366,65.35 J1.A48@107.5,65.35 ; v1(104.367,81.35) 105.367,80.35 J1.A63@107.5,80.35 ; v1(104.369,69.35) 105.369,68.35 J1.A51@107.5,68.35 ; v1(104.37,78.35) 105.37,77.35 J1.A60@107.5,77.35 ; v1(104.372,72.35) 105.372,71.35 J1.A54@107.5,71.35 ; v1(104.374,75.35) 105.374,74.35 J1.A57@107.5,74.35 ; J1.A15@107.5,32.35 105.063,32.35 104.901,32.512 104.901,33.35 ; J1.A16@107.5,33.35 104.901,33.35 ; J1.A19@107.5,36.35 105.211,36.35 104.956,36.605 104.956,37.35 ; J1.A20@107.5,37.35 104.956,37.35 ; J1.A23@107.5,40.35 105.211,40.35 104.956,40.605 104.956,41.35 ; J1.A24@107.5,41.35 104.956,41.35 ; J1.A27@107.5,44.35 105.211,44.35 104.956,44.605 104.956,45.35 ; J1.A28@107.5,45.35 104.956,45.35 ; J1.A31@107.5,48.35 105.211,48.35 104.956,48.605 104.956,49.35 ; J1.A32@107.5,49.35 104.956,49.35 ; J1.A35@107.5,52.35 105.211,52.35 104.956,52.605 104.956,53.35 ; J1.A36@107.5,53.35 104.956,53.35 ; J1.A39@107.5,56.35 105.211,56.35 104.956,56.605 104.956,57.35 ; J1.A40@107.5,57.35 104.956,57.35 ; J1.A43@107.5,60.35 105.3,60.35 104.86,60.791 104.86,61.468 ; J1.A44@107.5,61.35 104.978,61.35 104.86,61.468 ; J1.A45@107.5,62.35 104.876,62.35 v1(104.361,62.865) 104.86,62.366 104.86,61.468
  other v1: 22.273,43.835 21.155,44.851 22.269,44.851 22.273,45.867 28.503,68.331 27.335,69.347 29.621,69.347 28.503,70.363
  other v2: 7.388,41.404 8.888,41.404 12.328,41.404 14.328,41.404 5.408,42.224 4.588,44.204 5.408,46.183 7.388,47.004 8.888,47.004 12.328,47.004 14.328,47.004
  other v3: 3.048,38.004 5.968,38.004 8.888,38.004 11.808,38.004 14.728,38.004 3.048,50.404 5.968,50.404 8.888,50.404 11.808,50.404 14.728,50.404
HDMI_CEC: J4.13 TP1.1 | length 4.9
  Top Layer w0.254: J4.13@9.435,72.6 12.452,72.6 TP1.1@13.771,73.919
HDMI_HPD_5V: IC7.21 J4.19 TP2.1 | length 21.3
  Top Layer w0.203: J4.19@9.435,75.6 TP2.1@17.327,75.6 19.719,73.208 v1(28.046,73.208)
  Bottom Layer w0.203: v1(28.046,73.208) 28.753,72.501 IC7.21@28.753,71.822
HDMI_OUT_CLK_N: IC7.16 IC8.12 J4.12 | length 17.6
  Top Layer w0.15: J4.12@9.435,72.1 10.819,72.1 11.171,71.747 14.888,71.747 15.238,72.097 IC8.12@16.042,72.097 17.125,72.097 17.15,72.122 17.585,72.122 17.96,71.747 23.224,71.747 v1(23.449,71.972)
  Bottom Layer w0.15: v1(23.449,71.972) 23.674,71.747 24.14,71.747 24.89,70.997 25.476,70.997 25.576,71.097 IC7.16@26.028,71.097
HDMI_OUT_CLK_P: IC7.15 IC8.10 J4.10 | length 17.6
  Top Layer w0.15: J4.10@9.435,71.1 10.819,71.1 11.166,71.447 14.888,71.447 15.238,71.097 IC8.10@16.042,71.097 17.125,71.097 17.15,71.072 17.585,71.072 17.96,71.447 23.224,71.447 v1(23.449,71.222)
  Bottom Layer w0.15: v1(23.449,71.222) 23.674,71.447 24.016,71.447 24.766,70.697 25.476,70.697 25.576,70.597 IC7.15@26.028,70.597
HDMI_OUT_D0_N: IC7.14 IC8.9 J4.9 | length 17.4
  Top Layer w0.15: J4.9@9.435,70.6 10.819,70.6 11.171,70.247 14.888,70.247 15.238,70.597 IC8.9@16.042,70.597 17.079,70.597 17.109,70.627 17.548,70.627 17.921,70.254 17.921,70.247 23.224,70.247 v1(23.449,70.472)
  Bottom Layer w0.15: v1(23.449,70.472) 23.671,70.25 24.175,70.25 24.425,70 25.465,70 25.562,70.097 IC7.14@26.028,70.097
HDMI_OUT_D0_P: IC7.13 IC8.7 J4.7 | length 17.4
  Top Layer w0.15: J4.7@9.435,69.6 10.819,69.6 11.166,69.947 14.888,69.947 15.238,69.597 IC8.7@16.042,69.597 17.079,69.597 17.109,69.567 17.548,69.567 17.921,69.94 17.921,69.947 23.224,69.947 v1(23.449,69.722)
  Bottom Layer w0.15: v1(23.449,69.722) 23.671,69.945 24.049,69.945 24.299,69.695 25.465,69.695 25.562,69.597 IC7.13@26.028,69.597
HDMI_OUT_D1_N: IC7.12 IC8.6 J4.6 | length 17.4
  Top Layer w0.15: J4.6@9.435,69.1 10.819,69.1 11.171,68.747 14.888,68.747 15.238,69.097 IC8.6@16.042,69.097 17.039,69.097 17.069,69.127 17.508,69.127 17.881,68.754 17.881,68.747 23.224,68.747 v1(23.449,68.972)
  Bottom Layer w0.15: v1(23.449,68.972) 23.671,68.75 23.917,68.75 24.167,69 25.465,69 25.562,69.097 IC7.12@26.028,69.097
HDMI_OUT_D1_P: IC7.11 IC8.4 J4.4 | length 17.4
  Top Layer w0.15: J4.4@9.435,68.1 10.819,68.1 11.166,68.447 14.888,68.447 15.238,68.097 IC8.4@16.042,68.097 17.039,68.097 17.069,68.067 17.508,68.067 17.881,68.44 17.881,68.447 23.224,68.447 v1(23.449,68.222)
  Bottom Layer w0.15: v1(23.449,68.222) 23.671,68.445 24.044,68.445 24.294,68.695 25.465,68.695 25.562,68.597 IC7.11@26.028,68.597
HDMI_OUT_D2_N: IC7.10 IC8.3 J4.3 | length 17.6
  Top Layer w0.15: J4.3@9.435,67.6 10.819,67.6 11.171,67.247 14.888,67.247 15.238,67.597 IC8.3@16.042,67.597 17.012,67.597 17.042,67.627 17.481,67.627 17.854,67.254 17.854,67.247 23.224,67.247 v1(23.449,67.472)
  Bottom Layer w0.15: v1(23.449,67.472) 23.674,67.247 24.244,67.247 24.994,67.997 25.476,67.997 25.576,68.097 IC7.10@26.028,68.097
HDMI_OUT_D2_P: IC7.9 IC8.1 J4.1 | length 17.6
  Top Layer w0.15: J4.1@9.435,66.6 10.819,66.6 11.166,66.947 14.888,66.947 15.238,66.597 IC8.1@16.042,66.597 17.012,66.597 17.042,66.567 17.481,66.567 17.854,66.94 17.854,66.947 23.224,66.947 v1(23.449,66.722)
  Bottom Layer w0.15: v1(23.449,66.722) 23.674,66.947 24.369,66.947 25.119,67.697 25.476,67.697 25.576,67.597 IC7.9@26.028,67.597
HDMI_SCL_5V: J4.15
HDMI_SDA_5V: J4.16
IN_MGT_0_N: C31.1 J1.B44 R24.1 | length 6.9
  Top Layer w0.15: R24.1@101.018,61.553 101.572,61 104.876,61 105.226,61.35 J1.B44@107.5,61.35
IN_MGT_0_P: C33.1 J1.B43 R26.1 | length 7
  Top Layer w0.15: R26.1@101.018,60.02 101.018,60.118 101.6,60.7 104.876,60.7 105.226,60.35 J1.B43@107.5,60.35
IN_MGT_1_N: C26.1 J1.B40 R18.1 | length 7
  Top Layer w0.15: R18.1@101.018,57.683 101.018,57.553 101.572,57 104.876,57 105.226,57.35 J1.B40@107.5,57.35
IN_MGT_1_P: C28.1 J1.B39 R20.1 | length 6.9
  Top Layer w0.15: R20.1@101.018,56.109 101.018,56.147 101.572,56.7 104.876,56.7 105.226,56.35 J1.B39@107.5,56.35
JTAG_T\R\S\T\: J1.A3
JTAG_TCK: J1.A5
JTAG_TDI: J1.A7 R1.2 | length 6.7
  Bottom Layer w0.203: R1.2@101.854,23.069 101.854,22.479 102.535,21.798 103.606,21.798 104.158,22.35 J1.A7@107.5,22.35
JTAG_TDO: J1.A9 R1.1 | length 6
  Bottom Layer w0.203: R1.1@101.854,24.029 103.902,24.029 104.132,23.798 104.589,23.798 105.141,24.35 J1.A9@107.5,24.35
JTAG_TMS: J1.A11
LVDS_IN_0_N: C19.1 J1.B57 | length 7.8
  Top Layer w0.15: C19.1@99.622,74.275 99.991,74.275 100.315,73.952 104.768,73.952 105.091,74.275 J1.B57@107.142,74.275
LVDS_IN_0_P: C18.1 J1.B56 | length 7.8
  Top Layer w0.15: C18.1@99.622,73.275 99.991,73.275 100.315,73.599 104.768,73.599 105.091,73.275 J1.B56@107.142,73.275
LVDS_IN_1_N: C21.1 J1.B54 | length 7.8
  Top Layer w0.15: C21.1@99.622,71.275 99.991,71.275 100.315,70.952 104.788,70.952 105.111,71.275 J1.B54@107.142,71.275
LVDS_IN_1_P: C20.1 J1.B53 | length 7.8
  Top Layer w0.15: C20.1@99.622,70.275 99.991,70.275 100.315,70.599 104.788,70.599 105.111,70.275 J1.B53@107.142,70.275
LVDS_IN_2_N: C23.1 J1.B51 | length 7.8
  Top Layer w0.15: C23.1@99.622,68.275 99.991,68.275 100.315,67.952 104.788,67.952 105.111,68.275 J1.B51@107.142,68.275
LVDS_IN_2_P: C22.1 J1.B50 | length 7.8
  Top Layer w0.15: C22.1@99.622,67.275 99.991,67.275 100.315,67.599 104.788,67.599 105.111,67.275 J1.B50@107.142,67.275
LVDS_IN_3_N: C25.1 J1.B48 | length 7.8
  Top Layer w0.15: C25.1@99.622,65.275 99.991,65.275 100.315,64.952 104.788,64.952 105.111,65.275 J1.B48@107.142,65.275
LVDS_IN_3_P: C24.1 J1.B47 | length 7.8
  Top Layer w0.15: C24.1@99.622,64.275 99.991,64.275 100.315,64.599 104.788,64.599 105.111,64.275 J1.B47@107.142,64.275
LVDS_IN_C_0_N: C19.2 IC7.25 | length 69.3
  Top Layer w0.15: v1(35.59,74.144) 35.817,73.917 ; 35.817,73.912 97.883,73.912 98.241,74.27 C19.2@98.656,74.27
  Bottom Layer w0.15: IC7.25@30.978,71.097 31.443,71.097 31.543,70.997 32.033,70.997 34.955,73.919 35.365,73.919 v1(35.59,74.144)
LVDS_IN_C_0_P: C18.2 IC7.26 | length 69.3
  Top Layer w0.15: v1(35.59,73.394) 35.807,73.612 36.672,73.612 97.883,73.612 98.241,73.254 C18.2@98.656,73.254
  Bottom Layer w0.15: IC7.26@30.978,70.597 31.443,70.597 31.544,70.697 32.157,70.697 35.079,73.619 35.365,73.619 v1(35.59,73.394)
LVDS_IN_C_1_N: C21.2 IC7.27 | length 68.4
  Top Layer w0.15: v1(35.59,71.159) 35.809,70.94 97.883,70.94 98.241,71.298 C21.2@98.656,71.298
  Bottom Layer w0.15: IC7.27@30.978,70.097 31.469,70.097 31.569,69.997 32.68,69.997 33.617,70.934 35.365,70.934 v1(35.59,71.159)
LVDS_IN_C_1_P: C20.2 IC7.28 | length 68.4
  Top Layer w0.15: v1(35.59,70.409) 35.821,70.64 36.685,70.64 97.883,70.64 98.241,70.282 C20.2@98.656,70.282
  Bottom Layer w0.15: IC7.28@30.978,69.597 31.469,69.597 31.569,69.697 32.804,69.697 33.741,70.634 35.365,70.634 v1(35.59,70.409)
LVDS_IN_C_2_N: C23.2 IC7.29 | length 68.5
  Top Layer w0.15: v1(35.59,68.16) 35.815,67.935 ; 35.815,67.93 97.87,67.93 98.241,68.301 C23.2@98.656,68.301
  Bottom Layer w0.15: IC7.29@30.978,69.097 31.469,69.097 31.569,68.997 32.816,68.997 33.878,67.935 35.365,67.935 v1(35.59,68.16)
LVDS_IN_C_2_P: C22.2 IC7.30 | length 68.5
  Top Layer w0.15: v1(35.59,67.41) 35.81,67.63 36.674,67.63 97.87,67.63 98.241,67.259 C22.2@98.656,67.259
  Bottom Layer w0.15: IC7.30@30.978,68.597 31.469,68.597 31.569,68.697 32.691,68.697 33.754,67.635 35.365,67.635 v1(35.59,67.41)
LVDS_IN_C_3_N: C25.2 IC7.31 | length 69.3
  Top Layer w0.15: v1(35.59,65.173) 35.838,64.925 ; 35.85,64.92 97.883,64.92 98.241,65.278 C25.2@98.656,65.278
  Bottom Layer w0.15: IC7.31@30.978,68.097 31.469,68.097 31.569,67.997 32.038,67.997 35.087,64.948 35.365,64.948 v1(35.59,65.173)
LVDS_IN_C_3_P: C24.2 IC7.32 | length 69.3
  Top Layer w0.15: v1(35.59,64.423) 35.787,64.62 36.651,64.62 97.883,64.62 98.241,64.262 C24.2@98.656,64.262
  Bottom Layer w0.15: IC7.32@30.978,67.597 31.469,67.597 31.569,67.697 31.907,67.697 34.956,64.648 35.365,64.648 v1(35.59,64.423)
NetC30_1: C30.1 IC9.20 | length 2.6
  Top Layer w0.254: C30.1@18.714,47.27 18.714,46.823 19.915,45.622 IC9.20@20.398,45.622
NetC30_2: C30.2 R21.2 | length 1.2
  Top Layer w0.254: C30.2@18.714,48.23 R21.2@18.714,49.431
NetC32_1: C32.1 IC9.19 | length 1.7
  Top Layer w0.254: C32.1@19.631,47.27 19.631,46.518 20.027,46.122 IC9.19@20.398,46.122
NetC32_2: C32.2 R23.2 | length 1.2
  Top Layer w0.254: C32.2@19.631,48.23 R23.2@19.631,49.431
NetIC1_5: IC1.5 R5.1 | length 2.6
  Top Layer w0.203: IC1.5@54.754,97.704 55.712,97.704 56.329,97.087 R5.1@57.087,97.087
NetIC1_6: IC1.6 R4.1 | length 2.3
  Top Layer w0.203: IC1.6@54.754,98.354 57.083,98.354 R4.1@57.087,98.357
NetIC1_7: IC1.7 R3.1 | length 2.6
  Top Layer w0.203: IC1.7@54.754,99.004 55.824,99.004 56.447,99.627 R3.1@57.087,99.627
NetIC6_5: IC6.5 R9.2 R11.2 | length 2.9
  Top Layer w0.203: R9.2@89.154,25.082 R11.2@90.424,25.082 90.424,23.549 IC6.5@90.354,23.479
NetIC6_6: IC6.6 J2.2 | length 3.9
  Top Layer w0.203: J2.2@83.947,25.908 83.947,24.638 85.106,23.479 IC6.6@86.074,23.479